# Altium PCB UM-64NNP-V1 rev 0.18_norail.PcbDoc (part 2 of 5)
Units mil, origin at the board's own origin, x right, y up, seen from the top; angles counter-clockwise.
Board outline 2614 x 1090.63 mil, 6 copper layers (L1, L2, L3, L4, L5, L6), stack 20.4 mil thick; 321 components, 171 nets, 960 pads, 1775 vias.
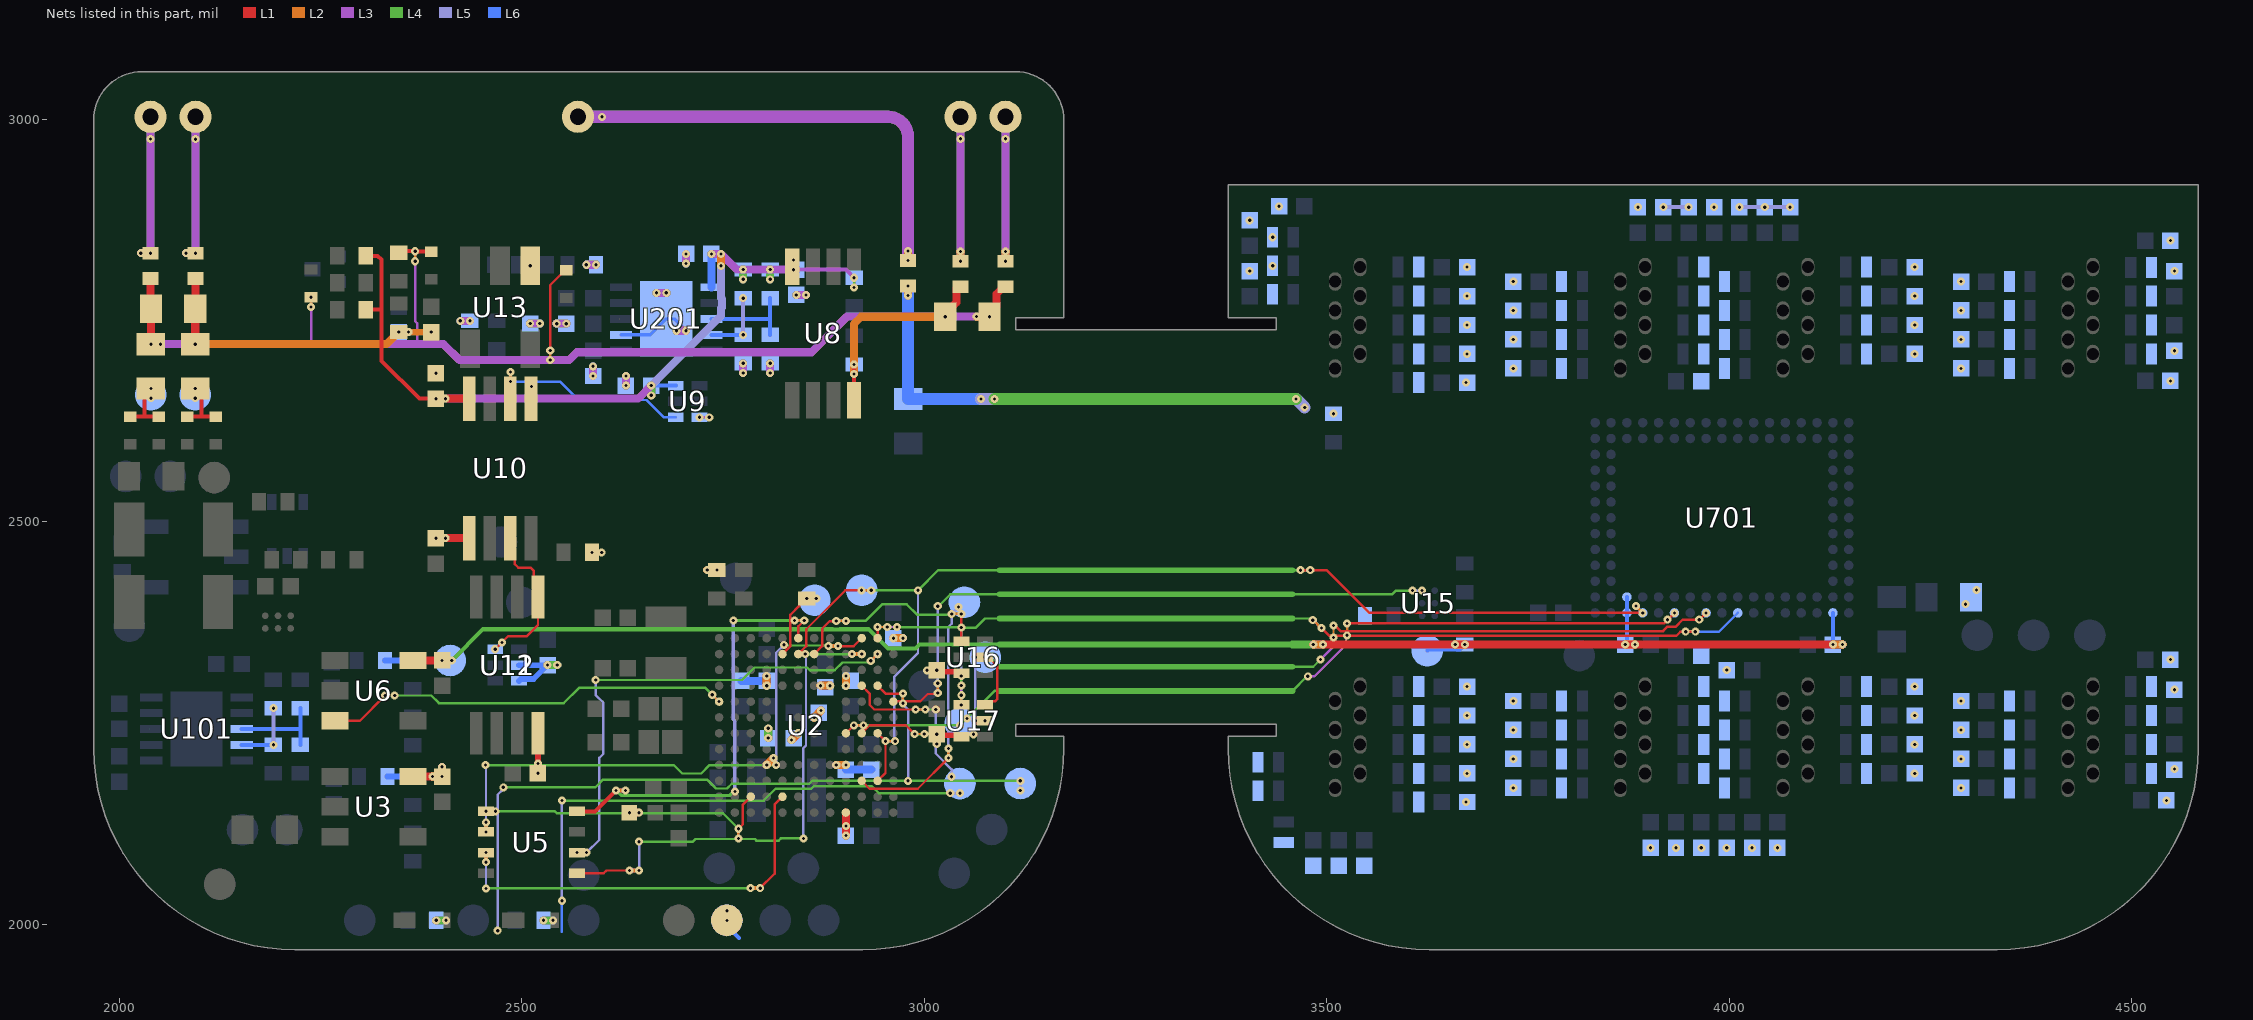
[diagram p6: the nets of this part, all layers, seen from the top]

## Part data
C1 C8 C9 C12 C16 C20 C21 C22 C23 C24 C25 C26 C27 C34 C35 C39 C41 C42 C43 C701 C702: library part GCM155R71C104KA55J, "Capacitor, Ceramic, 0.1uF, X7R, 16V, 10%, 0402", Manufacturer=Murata, Medical Grade MFR PN=GCH155R71C104KE01, Package=0402, Rating=16V, Supplier Part Number 1=81-GCM155R71C104KA5J, Category=Capacitor, Length (mm)="1.00 ±0.05", Manufacturer PN=GCM155R71C104KA55J, Medical Grade MFR=Murata, Supplier 1=Mouser, Thickness (mm)="0.50 ±0.05", Width (mm)="0.50 ±0.05"
C2 C3: library part GJM1555C1H8R0WB01D, "Capacitor, Ceramic, 8.0pF, C0G, 50V, 0.05pF, 0402", Manufacturer=Murata, Package=0402, Rating=50V, Supplier Part Number 1=81-GJM1555C1H8R0WB1D, Category=Capacitor, Length (mm)="1.00 ±0.10", Manufacturer PN=GJM1555C1H8R0WB01D, Supplier 1=Mouser, Thickness (mm)="0.50 ±0.05", Width (mm)="0.50 ±0.05"
C4 C28 C36 C40 C44: library part GRM155R61A475MEAAD, "Capacitor, Ceramic, 4.7uF, X5R, 10V, 20%, 0402", Manufacturer=Murata, Package=0402, Rating=10V, Supplier Part Number 1=81-GRM155R61A475MEAD, Category=Capacitor, Manufacturer PN=GRM155R61A475MEAAD, Supplier 1=Mouser
C5 C33 C703: library part C0402C103J3RACTU, "Capacitor, Ceramic, 10nF, X7R, 25V, 10%, 0402", Manufacturer=KEMET, Rating=25V, Supplier Part Number 1=399-C0402C103J3RAC7867CT-ND, Category=Capacitor, Manufacturer PN=C0402C103J3RACTU, Supplier 1=Digi-Key
C6 C103: library part GRM155R61A106ME11D, "Capacitor, Ceramic, 10uF, X5R, 10V, 20%, 0402", Manufacturer=Murata, Package=0402, Rating=10V, Supplier Part Number 1=81-GRM155R61A106ME1D, Category=Capacitor, Manufacturer PN=GRM155R61A106ME11D, Supplier 1=Mouser
C7 C17: library part 06031C104K4Z2A, "Capacitor, Ceramic, 0.1uF, X7R, 100V, 10%, 0603", Manufacturer="Kyocera AVX", Package=0603, Rating=100V, Supplier Part Number 1=581-06031C104K4Z2A, Category=Capacitor, Manufacturer PN=06031C104K4Z2A, Supplier 1=Mouser
C10 C11: library part C3216X5R1E476M160AC, "Capacitor, Ceramic, 47uF, X5R, 25V, 20%, 1206", Manufacturer=Murata, Package=1206, Rating=25V, Supplier Part Number 1=445-8047-1-ND, Category=Capacitor, Length (mm)=3.2, Manufacturer PN=C3216X5R1E476M160AC, Supplier 1=Digi-Key, Thickness (mm)=1.8, Width (mm)=1.6
C13 C14 C18 C19 C29 C31 C32 C101 C201 C202 C203: library part CGB2A1X5R1E105K033BC, "Capacitor, Ceramic, 1.0uF, X5R, 25V, 10%, 0402", Manufacturer=TDK, Package=0402, Rating=25V, Supplier Part Number 1=445-13185-1-ND, Category=Capacitor, Manufacturer PN=CGB2A1X5R1E105K033BC, Supplier 1=Digi-Key
C15 C38: library part GRM1555C1H5R6WA01D, "Capacitor, Ceramic, 5.6pF, C0G, 50V, 10%, 0402", Manufacturer=Murata, Package=0402, Rating=50V, Supplier Part Number 1=81-GRM1555C1H5R6WA1D, Category=Capacitor, Manufacturer PN=GRM1555C1H5R6WA01D, Supplier 1=Mouser
C30: library part GRM1555C1H680JZ01D, "Capacitor, Ceramic, 68pF, C0G, 50V, 5%, 0402", Manufacturer=Murata, Manufacturer PN=GRM1555C1H680JA01D, Package=0402, Rating=50V, Supplier Part Number 1=81-GRM1555C1H680JA1D, Category=Capacitor, Note=NNP, Supplier 1=Mouser
C37: library part Cap, "Capacitor, Ceramic, 680pF, C0G, 100V, 5%, 0603", Manufacturer=Murata, Medical Grade MFR PN=GCH1885C2A681JE01, Package=0603, Rating=100V, Category=Capacitor, Length (mm)="1.60 ±0.10", Manufacturer PN=GCM1885C2A681JA16D, Medical Grade MFR=Murata, Thickness (mm)="0.80 ±0.10", Width (mm)="0.80 ±0.10"
C102: library part GRM155R61A475MEAAD, "Capacitor, Ceramic, 4.7uF, X5R, 10V, 20%, 0402", Manufacturer=Murata, Package=0402, Rating=10V, Category=Capacitor, Manufacturer PN=GRM155R61A475MEAAD
C811 C812 C813 C814 C815 C816 C817 C818 C821 C822 C823 C824 C825 C826 C827 C828 C831 C832 C833 C834 C835 C836 C837 C838 C841 C842 C843 C844 C845 C846 C847 C848 C851 C852 C853 C854 C855 C856 C857 C858 C861 C862 C863 C864 C865 C866 C867 C868 C871 C872 C873 C874 C875 C876 C877 C878 C881 C882 C883 C884 C885 C886 C887 C888: library part CGA2B1C0G2A681J050BC, "Capacitor, Ceramic, 680pF, C0G, 100V, 5%, 0402", Manufacturer=TDK, Package=0402, Rating=100V, Supplier Part Number 1=445-172680-1-ND, Category=Capacitor, Length (mm)="1.00 ±0.05", Manufacturer PN=CGA2B1C0G2A681J050BC, Supplier 1=Digi-Key, Thickness (mm)="0.50 ±0.05", Width (mm)="0.50 ±0.05"
D1: library part SML-LX0402SUGC-TR, "LED Green 20mA 2.2V 45mcd 0402", Manufacturer=Lumex, Package=0402, Rating=2.2V, Supplier Part Number 1=67-1881-1-ND, Category=LED, Manufacturer PN=SML-LX0402SUGC-TR, Supplier 1=Digi-Key
D2: library part APHHS1005LQBC/D-V, "LED, Blue, 2mA, 2.65V, 15mcd, 0402", Manufacturer=Kingbright, Supplier Part Number 1=754-2122-6-ND, Category=LED, Manufacturer PN=APHHS1005LQBC/D-V, Supplier 1=Digi-Key
D5 D6 D7 D8 D9 D11 D12: "Diode, Schottky, 30V, 100mA, SOD-923", Manufacturer=Toshiba, Package=SOD-923, Rating=100mA, Supplier Part Number 1=757-1SS416L3M, Category=Diode, Manufacturer PN=1SS416,L3M, Supplier 1=Mouser
D811 D812 D813 D814 D815 D816 D817 D818 D821 D822 D823 D824 D825 D826 D827 D828 D831 D832 D833 D834 D835 D836 D837 D838 D841 D842 D843 D844 D845 D846 D847 D848 D851 D852 D853 D854 D855 D856 D857 D858 D861 D862 D863 D864 D865 D866 D867 D868 D871 D872 D873 D874 D875 D876 D877 D878 D881 D882 D883 D884 D885 D886 D887 D888: library part TPD1E10B09, "TVS Diode, Bidirectional, ±5.3V, 3.0A, SOD-882", Manufacturer=Littelfuse, Medical Grade MFR=TBD, Rating=±5.3V, Category="TVS Diode", Length (mm)="1.00 ±0.10", Manufacturer PN=SP3022-01ETG, Medical Grade MFR PN=TBD, Thickness (mm)="0.50 ±0.10", Width (mm)="0.60 ±0.10"
FB1 FB2 FB3 FB4 FB5: library part BLM15EG221SH1D, "Ferrite Bead, 700mA, 0402", Manufacturer=Murata, Medical Grade MFR=TBD, Package=0402, Rating=700mA, Category="Ferrite Bead", Length (mm)="1.00 ±0.05", Manufacturer PN=BLM15EG221SH1D, Medical Grade MFR PN=TBD, Thickness (mm)="0.50 ±0.05", Width (mm)="0.50 ±0.05"
FT810 FT820 FT830 FT840 FT850 FT860 FT870 FT880: "Feedthrough Pads, 8 contact, staggered", Package=TH, Category=TH
L1: "Inductor, 2.2uH, 1.76A, 1008", Manufacturer=TDK, Rating=1.76A, Category=Inductor, Manufacturer PN=VLS252010HBX-2R2M-1
L6: "Inductor, Unshielded, 33nH, 350mA, 0402", Manufacturer=Murata, Category=Inductor, Manufacturer PN=LQG15HS33NJ02D
L101 L201: "Inductor, Shielded, 47uH, 20%, 0.380A", Manufacturer=Coilcraft, Rating=0.380A, Supplier Part Number 1=994-LPS4012-473MRC, Category=Inductor, Length (mm)=4, Manufacturer PN=LPS4012-473MRC, Supplier 1=Mouser, Thickness (mm)=1.1, Width (mm)=4
M1: "MOSFET, Dual N-chan/P-chan, ±60V, SOT563", Alt Manufacturer=-, Manufacturer="Diodes Inc", Manufacturer PN=DMG1029SV-7, Medical Grade MFR=TBD, Rating=±60V, Supplier Part Number 1=621-DMG1029SV-7, Alt Manufacturer PN=-, Category=Transistor, Length (mm)="1.60 ±0.10", Medical Grade MFR PN=TBD, Supplier 1=Mouser, Thickness (mm)=0.60, Width (mm)="1.60 ±0.10"
Q1: library part 2SAR523MT2L, "BJT, PNP, -50V, -0.1A, SOT-723", Manufacturer=Rohm, Rating=-50V, Supplier Part Number 1=755-2SAR523MT2L, Category=Transistor, Manufacturer PN=2SAR523MT2L, Supplier 1=Mouser
R1 R14 R22: library part ERJ-2GEJ205X, "Resistor, 2M, 40V, 40mW, 1%, 0402", Alt Manufacturer=-, Manufacturer=Panasonic, Medical Grade MFR=Mini-Systems, Medical Grade MFR PN=WA20SM-2004F-NS62TRX, Package=0402, Rating=40V, Supplier Part Number 1=P2.0MJCT-ND, Alt Manufacturer PN=-, Category=Resistor, Length (mm)="1.12 ±0.10", Manufacturer PN=ERJ-2GEJ205X, Supplier 1=Digi-Key, Thickness (mm)="0.33 ±0.08", Width (mm)="0.56 ±0.08"
R2: library part ERJ-2RKF1002X, "Resistor, 10.0k, 1%, 50V, 0.1W, 0402", Manufacturer=Panasonic, Medical Grade MFR=Mini-Systems, Medical Grade MFR PN=WA20SM-1002F-NS62TRX, Package=0402, Supplier Part Number 1=P10.0KLCT-ND, Category=Resistor, Length (mm)="1.00 ±0.05", Manufacturer PN=ERJ-2RKF1002X, Supplier 1=Digi-Key, Thickness (mm)="0.35 ±0.05", Width (mm)="0.50 ±0.05"
R3 R24 R35 R36: library part CRCW04024M99FKED, "Resistor, 4.99M, 1%, 50V, 0.062W, 0402", Manufacturer="Vishay Dale", Package=0402, Rating=50V, Category=Resistor, Length (mm)="1.00 ±0.05", Manufacturer PN=CRCW04024M99FKED, Thickness (mm)="0.35 ±0.05", Width (mm)="0.50 ±0.05"
R4 R7 R9: library part RC0603JR-100RL, "Resistor, Zero ohms, 0603", Manufacturer=Yageo, Package=0603, Rating=50V, Supplier Part Number 1=13-RC0603JR-100RLCT-ND, Category=Resistor, Manufacturer PN=RC0603JR-100RL, Supplier 1=Digi-Key
R5: library part R_DNP_0603, "Resistor, DNP, 0603", Package=0603, Category=Resistor, Manufacturer PN=R_DNP_0603
R6 R12 R17 R23 R34 R102 R103 R202 R203: library part R_DNP_0402, "Resistor, DNP, 0402", Package=0402, Category=Resistor, Length (mm)="1.00 ±0.05", Manufacturer PN=R_DNP_0402, Thickness (mm)="0.35 ±0.05", Width (mm)="0.50 ±0.05"
R8: library part ERJ-2BWFR100X, "Resistor, 0.1, 1%, 50V, 0.25W, 0402", Manufacturer=Panasonic, Package=0402, Rating=50V, Supplier Part Number 1=P17368CT-ND, Category=Resistor, Length (mm)="1.00 ±0.05", Manufacturer PN=ERJ-2BWFR100X, Supplier 1=Digi-Key, Thickness (mm)="0.35 ±0.05", Width (mm)="0.50 ±0.05"
R10 R13: library part CGA0603MLC-12E, "ESD Suppressor, 12V, 0603", Manufacturer=Bourns, Package=0603, Supplier Part Number 1=652-CGA0603MLC-12E, Category=ESD, Manufacturer PN=CGA0603MLC-12E, Supplier 1=Mouser
R11 R20: library part CRCW04024M12FKED, "Resistor, 4.12M, 50V, 62mW, 1%, 0402", Manufacturer="Vishay Dale", Package=0402, Rating=50V, Supplier Part Number 1=71-CRCW04024M12FKED, Category=Resistor, Length (mm)="1.12 ±0.10", Manufacturer PN=CRCW04024M12FKED, Supplier 1=Mouser, Thickness (mm)="0.33 ±0.08", Width (mm)="0.56 ±0.08"
R15 R101 R104 R201 R204: library part ERJ-2GE0R00X, "Resistor, Zero ohms, 0402", Manufacturer=Panasonic, Package=0402, Rating=50V, Supplier Part Number 1=P0.0JCT-ND, Category=Resistor, Length (mm)="1.00 ±0.05", Manufacturer PN=ERJ-2GE0R00X, Supplier 1=Digi-Key, Supplier 2=Mouser, Supplier Part Number 2=667-ERJ-2GE0R00X, Thickness (mm)="0.35 ±0.05", Width (mm)="0.50 ±0.05"
R16 R18 R27 R29 R30 R78: library part ERJ-2RKF1001X, "Resistor, 1k, 1%, 50V, 0.1W, 0402", Manufacturer=Panasonic, Package=0402, Supplier Part Number 1=P1.00KLCT-ND, Category=Resistor, Length (mm)="1.00 ±0.05", Manufacturer PN=ERJ-2RKF1001X, Supplier 1=Digi-Key, Supplier 2=Mouser, Supplier Part Number 2=667-ERJ-2RKF1001X, Thickness (mm)="0.35 ±0.05", Width (mm)="0.50 ±0.05"
R19 R21: library part ERJ-2RKF5101X, "Resistor, 5.1k, 1%, 50V, 0.1W, 0402", Manufacturer=Panasonic, Package=0402, Rating=50V, Supplier Part Number 1=667-ERJ-2RKF5101X, Category=Resistor, Length (mm)="1.00 ±0.05", Manufacturer PN=ERJ-2RKF5101X, Supplier 1=Mouser, Thickness (mm)="0.35 ±0.05", Width (mm)="0.50 ±0.05"
R25 R26 R28 R31: library part ERJ-2RKF4992X, "Resistor, 49.9k, 1%, 50V, 0.1W, 0402", Manufacturer=Panasonic, Package=0402, Supplier Part Number 1=P49.9KLCT-ND, Category=Resistor, Length (mm)="1.00 ±0.05", Manufacturer PN=ERJ-2RKF4992X, Supplier 1=Digi-Key, Thickness (mm)="0.35 ±0.05", Width (mm)="0.50 ±0.05"
R32: library part ERJ-2RKF8452X, "Resistor, 84.5k, 1%, 50V, 0.1W, 0402", Manufacturer=Panasonic, Package=0402, Supplier Part Number 1=P84.5KLCT-ND, Category=Resistor, Length (mm)="1.00 ±0.05", Manufacturer PN=ERJ-2RKF8452X, Supplier 1=Digi-Key, Thickness (mm)="0.35 ±0.05", Width (mm)="0.50 ±0.05"
R33: library part ERJ-2RKF1004X, "Resistor, 1.00M, 1%, 50V, 0.1W, 0402", Manufacturer=Panasonic, Package=0402, Rating=50V, Supplier Part Number 1=667-ERJ-2RKF1004X, Category=Resistor, Length (mm)="1.00 ±0.05", Manufacturer PN=ERJ-2RKF1004X, Supplier 1=Mouser, Thickness (mm)="0.35 ±0.05", Width (mm)="0.50 ±0.05"
TP1 TP2 TP3 TP4 TP5 TP6 TP7 TP8 TP9 TP10 TP11 TP12 TP13 TP14 TP15 TP16 TP17 TP18 TP19 TP20 TP21 TP22 TP23 TP24 TP25 TP26 TP27 TP28 TP29 TP30 TP31 TP32 TP33 TP34 TP35 TP38 TP39 TP40 TP41 TP701 TP702 TP703: library part TestPadSMT, "Test pad, Universal SMT", Manufacturer=-, Manufacturer PN=-
U1 U15: "Op Amp, Rail-to-Rail, 95kHz, WLCSP-6", Alt Manufacturer=-, Manufacturer="Analog Devices", Manufacturer PN=AD8505ACBZ-R7, Medical Grade MFR=TBD, Rating=5.5V, Supplier Part Number 1=584-AD8505ACBZ-R7, Alt Manufacturer PN=-, Category=IC, Length (mm)="1.39 ±0.04", Medical Grade MFR PN=TBD, Supplier 1=Mouser, Thickness (mm)="0.56 ±0.05", Width (mm)="0.90 ±0.04"
U2: "Microcontroller, ARM Cortex-M4, 32-bit, 4MB Flash, 2.5MB RAM, SMPS, BGA-132", Alt Manufacturer=-, Manufacturer="ST Microelectronics", Medical Grade MFR=TBD, Rating=3.6V, Supplier Part Number 1=511-STM32U5A5QJI6Q, Alt Manufacturer PN=-, Category=IC, Length (mm)="7.00 ±0.15", Manufacturer PN=STM32U5A5QJI6Q, Medical Grade MFR PN=TBD, Supplier 1=Mouser, Thickness (mm)=0.60, Width (mm)="7.00 ±0.15"
U3 U6: library part ADP161AUJZ-R7, "LDO, 1-5.5V, ADJ, 150mA, TSOT-23-5", Manufacturer="Analog Devices", Package=SOT23-5, Rating=150mA, Supplier Part Number 1=584-ADP161AUJZ-R7, Category=IC, Length (mm)=2.90, Manufacturer PN=ADP161AUJZ-R7, Supplier 1=Mouser, Thickness (mm)=0.9, Width (mm)=2.8
U4: "Current Sense, HIgh Side, 1.6-28V, 200V/V, SOT23-5", Alt Manufacturer=-, Manufacturer=Maxim, Manufacturer PN=MAX9938FEUK+T, Medical Grade MFR=N/A, Package=SOT23-5, Supplier Part Number 1=175-MAX9938WEUK+TCT-ND, Alt Manufacturer PN=-, Category=IC, Length (mm)="2.90 ±0.10", Medical Grade MFR PN=N/A, Rating=N/A, Supplier 1=Digi-Key, Thickness (mm)="1.20 ±0.25", Width (mm)="2.80 ±0.20"
U5: "FRAM, 8 Mbit (1024k x 8), SPI, 1.8-3.6V, QFN-8", Manufacturer=Cypress, Medical Grade MFR=TBD, Rating=1.8-3.6V, Supplier Part Number 1=428-4721-ND, Category=IC, Length (mm)="3.28 ±0.05", Manufacturer PN=CY15B108QI-20LPXI, Medical Grade MFR PN=TBD, Supplier 1=Digi-Key, Thickness (mm)="0.50 ±0.05", Width (mm)="3.23 ±0.05"
U8: library part TLV3202AQDGKRQ1, "Comparator, Dual, 40ns, VSSOP8", Manufacturer="Texas Instruments", Rating=5.5V, Supplier Part Number 1=296-46562-1-ND, Category=IC, Manufacturer PN=TLV3202AQDGKRQ1, Supplier 1=Digi-Key
U9 U16: library part NC7SZ86L6X, "XOR, 5.5V, uPAk6", Manufacturer="ON Semiconductor", Rating=5.5V, Category=IC, Manufacturer PN=NC7SZ86L6X
U10: library part IL712-1E, "Digital Isolator, 110Mbps, 2.7-5.5V, uSOP8", Manufacturer=NVE, Manufacturer PN="IL 712-1ETR7", Package=uSOP8, Supplier Part Number 1=390-IL712-1ETR7CT-ND, Category=IC, Supplier 1=Digi-Key
U11: library part DS1100LU-500+, "Silicon delay, 3-3.6V, uSOP8", Manufacturer=Maxim, Package=uSOP8, Supplier Part Number 1=DS1100LU-500+-ND, Manufacturer PN=DS1100LU-500+, Supplier 1=Digi-Key
U12 U17: library part NC7SZ175L6X, "D FLIPFLOP, 5.5V, uPAk6", Manufacturer="ON Semiconductor", Rating=5.5V, Category=IC, Manufacturer PN=NC7SZ175L6X
U13: library part LT1964ES5-BYP, "LDO, -1.2-20V, -200mA, SOT23-5", Manufacturer="Analog Devices", Manufacturer PN=LT1964ES5-BYP#PBF, Package=SOT23-5, Supplier Part Number 1=LT1964ES5-BYP#TRMPBFCT-ND, Supplier 1=Digi-Key
U101 U201: library part LTC3388EDD-3#TRPBF, "Buck Converter, 2.7-20V, 50mA DFN10", Manufacturer="Analog Devices", Package=DFN10, Rating=20V, Supplier Part Number 1=584-C3388EDD-3TRPBF, Category=IC, Manufacturer PN=LTC3388EDD-3#TRPBF, Supplier 1=Mouser
U701: "Digital Electrophysiology Interface Chip, BGA-104", Manufacturer="Intan Technologies", Package=BGA-104, Category=IC, Manufacturer PN=RHD2164, Supplier 1="Intan Technologies", Supplier Part Number 1=RHD2164
X1 X2 X3 X4 X5: library part FEEDTHROUGH, "Feedtrough, TH", Manufacturer=N/A, Category="FT pad", Length (mm)=TBD, Manufacturer PN=N/A, Medical Grade MFR=N/A, Medical Grade MFR PN=N/A, Rating=N/A, Thickness (mm)=N/A, Width (mm)=TBD
Y1: library part Crystal, "Crystal, 32.768kHz, 6.0pF, 90k, 20ppm", Manufacturer=ECS, Rating=N/A, Category=Crystal, Length (mm)=2.00, Manufacturer PN=ECS-.327-6-12-TR, Thickness (mm)=0.67, Width (mm)=1.20
Y2: library part ECS-480-8-47B2-CKM-TR, "Crystal, 48MHz, 10ppm, 8pF", Manufacturer=ECS, Package=SMD4, Rating=8pF, Supplier Part Number 1=520-ECS480847B2CKMTR, Category=Crystal, Length (mm)="1.6 ±0.10", Manufacturer PN=ECS-480-8-47B2-CKM-TR, Supplier 1=Mouser, Thickness (mm)=0.35, Width (mm)="1.2 ±0.10"

## Via types
v1: diameter 10, hole 4, L5 to L6, tented bottom, 479 vias
v2: diameter 10, hole 4, L4 to L5, tented top, 389 vias
v3: diameter 10, hole 4, L3 to L4, 304 vias
v4: diameter 10, hole 4, L2 to L3, 295 vias
v5: diameter 10, hole 4, L1 to L2, tented top, 270 vias
v6: diameter 10, hole 4, L4 to L5, 32 vias
v7: diameter 10, hole 4, L3 to L4, tented both sides, 5 vias
v8: diameter 10, hole 4, L5 to L6, tented top, 1 vias

## Nets (pads, with @x,y where several pads share a name; then routed paths per layer and width w, separated by ;. In a path a pad name is that pad's centre, name@x,y a point inside that pad or via, vN(x,y) a via of type N, cw(c..) or ccw(c..) an arc to the next point about the centre after c; other vN are vias at no path point)
ACTIVE_ENCL: U2.E12 U15.A2 | length 800.8
  L1 w3: U2.E12@2961.83,2276.8 2962.2,2277.17 2995.42,2277.17 3004.42,2286.17 3015.49,2286.17 v3(3016.83,2287.51)
  L3 w3: v3(3016.83,2287.51) v2(3016.83,2299.51)
  L4 w3: v3(3016.83,2287.51) v2(3016.83,2299.51) ; v2@3017.64,2395.26 3032.37,2410 3093.5,2410 ; 3457.5,2410 3581.19,2410 3585.88,2414.68 v2(3606.36,2414.68)
  L4 w7: v2(3016.83,2395.26) v2@3017.64,2395.26 ; 3093.5,2410 3457.5,2410
  L2 w3: v3(3016.83,2287.51) v2(3016.83,2299.51)
  L5 w3: v2(3016.83,2299.51) v2(3016.83,2395.26) ; v2(3606.36,2414.68) v1(3618.36,2414.68)
  other v4: 3016.83,2299.51
  other v5: 3016.83,2287.51
BD0: R202.2 R204.1 U201.9 | length 85
  L5 w5: v1(2775.25,2732.34) v1(2775.25,2777.86)
  L6 w5: U201.9@2735.8,2732.34 v1(2775.25,2732.34)
BD1: R201.2 R203.1 U201.8 | length 118.4
  L6 w5: U201.8@2735.8,2752.03 2808.71,2752.03 ; R203.1@2808.71,2732.34 2808.71,2752.03 ; R201.2@2808.71,2777.86 2808.71,2752.03
BOOT: R2.1 TP1.1 U2.B5 | length 130.5
  L1 w3: U2.B5@2824.03,2335.86 2833.9,2345.73 2833.9,2384.62 2844.7,2395.43 2844.7,2397.4 2852.06,2404.75 v5(2854.03,2404.75)
  L3 w5: v5(2854.03,2404.75) v4(2866.03,2404.75)
  L4 w5: v5(2854.03,2404.75) v4(2866.03,2404.75)
  L2 w5: v5(2854.03,2404.75) v4(2866.03,2404.75)
  L5 w5: v5(2854.03,2404.75) v4(2866.03,2404.75)
  other v1: 2854.03,2404.75
  other v2: 2866.03,2404.75
  other v3: 2854.03,2404.75
BUSA: C7.1 D9.1 D11.2 D12.1 FB1.2 FB3.2 R10.1 R13.1 R26.1 | length 1537.9
  L1 w3: v5(2535.56,2712.86) 2535.56,2794.04 2554.09,2812.56 D11.2@2555.56,2812.56
  L1 w5: R26.1@2347.39,2834.12 2349.39,2836.12 v5(2367.86,2836.12) 2368.11,2835.87 2387.49,2835.87 D12.1@2387.74,2835.63
  L1 w7: R13.1@2039.1,2765.2 R13.1@2039.54,2764.76
  L1 w10: R13.1@2039.1,2765.2 FB1.2@2039.1,2802.16 ; v5(2039.54,2720.69) R13.1@2039.54,2764.76 ; v5(3081.26,2754.76) 3081.26,2758.7 3090.04,2767.48 3090.04,2783.23 3098.97,2792.17 FB3.2@3100.94,2792.17
  L3 w3: 2238.52,2720.69 v4(2238.52,2767) ; v4(2367.86,2823.68) 2367.86,2748.96 2370.63,2746.19 2370.63,2720.69
  L3 w10: v4(2051.54,2720.69) 2238.52,2720.69 2370.63,2720.69 2402.9,2720.69 2422.73,2700.86 2559.12,2700.86 2568.9,2710.64 2859.84,2710.64 2904.2,2755 v4(3065,2755)
  L2 w3: v4(2238.52,2767) v5(2238.52,2779) ; v4(2367.86,2823.68) v5(2367.86,2836.12) ; v4(2535.56,2700.86) v5(2535.56,2712.86)
  L2 w10: v5(2039.54,2720.69) v4(2051.54,2720.69) ; v4(3065,2755) 3065.24,2754.76 v5(3081.26,2754.76)
BUSA_ISO: C7.2 D5.2 D7.1 TP3.1 | length 121.5
  L1 w5: D7.1@2013.95,2630.73 2031.67,2630.73 ; v1(2039.54,2665.57) 2031.67,2657.7 2031.67,2630.73 ; D5.2@2049.38,2630.73 2031.67,2630.73
  L3 w3: v2(2039.54,2653.57) v1(2039.54,2665.57)
  L4 w3: v2(2039.54,2653.57) v1(2039.54,2665.57)
  L2 w3: v2(2039.54,2653.57) v1(2039.54,2665.57)
  L5 w3: v2(2039.54,2653.57) v1(2039.54,2665.57)
  other v3: 2039.54,2665.57
  other v4: 2039.54,2653.57
  other v5: 2039.54,2665.57
BUSA_P1: FB1.1 X1.1 | length 332
  L3 w10: v4(2027.1,2833.65) v3(2039.1,2833.65) v7(2039.1,2975.63) X1.1@2039.1,2987.7
  L4 w10: v3(2039.1,2833.65) v7(2039.1,2975.63) X1.1@2039.1,2987.63
  L2 w10: v4(2027.1,2833.65) v3(2039.1,2833.65)
  other v5: 2039.1,2833.65
BUSA_P2: FB3.1 X3.1 | length 340.4
  L3 w10: v5(3100.94,2823.66) v4(3100.94,2835.66) v7(3100.94,2975.7) ; v7@3100.94,2975.41 X3.1@3100.94,2987.76
  L4 w10: v5(3100.94,2823.66) v7(3100.94,2975.7) ; v7@3100.94,2975.41 X3.1@3100.94,2987.41
  L2 w10: v5(3100.94,2823.66) v4(3100.94,2835.66)
  other v3: 3100.94,2823.66
BUSB: C17.1 C20.1 C21.1 C22.1 C29.2 C30.2 C31.2 C32.2 C202.2 C203.2 FB2.2 FB4.2 R10.2 R13.2 R27.2 R29.2 R30.2 R31.1 R203.2 R204.2 U8.4 U9.3 U10.5 U13.1 U201.2 U201.11 | length 1297.7
  L1 w5: U8.4@2912.96,2651.29 v3(2912.96,2695.56)
  L1 w7: R13.2@2094.66,2764.76 R13.2@2095.1,2765.2
  L1 w10: v5(2094.66,2720.69) R13.2@2094.66,2764.76 ; R13.2@2095.1,2765.2 FB2.2@2095.1,2802.16 ; v5(3026.14,2754.76) 3026.14,2758.7 3040.1,2772.66 3040.1,2789.29 3042.97,2792.17 FB4.2@3044.94,2792.17
  L3 w3: v3(2721.03,2629.82) v4(2733.03,2629.82)
  L3 w5: v4(2912.96,2683.56) v3(2912.96,2695.56)
  L3 w10: v5(2347.39,2735.73) v4(2359.39,2735.73) ; v4(2423.85,2749.7) v3(2435.85,2749.7) ; v3(2510.65,2746.36) v4(2522.65,2746.36) ; v4(2543.56,2746.12) v3(2555.56,2746.12) ; v2(2580.34,2819.35) v1(2592.34,2819.35) ; v3(2588.83,2681.16) v4(2588.83,2693.16) ; v3(2629.5,2669.19) v4(2629.5,2681.19) ; v2(2667.7,2784.51) v3(2679.7,2784.51) ; v4(2692.3,2737.39) v3(2704.3,2737.39) ; v2(2704.3,2820.74) v3(2704.3,2832.74) ; v4(2775.25,2684.91) v3(2775.25,2696.91) ; v2(2808.71,2684.91) v3(2808.71,2696.91) ; v3(2841.19,2781.79) v4(2853.19,2781.79)
  L4 w3: v3(2721.03,2629.82) v4(2733.03,2629.82)